# Altium PCB Cortes.PcbDoc (part 1 of 4)
Units mil, origin at the board's own origin, x right, y up, seen from the top; angles counter-clockwise.
Board outline 3686.1 x 4034 mil, 6 copper layers (Top Layer, GND, SL1, SL2, PWR, Bottom Layer), stack 33.672 mil thick; 267 components, 325 nets, 1122 pads, 1062 vias.
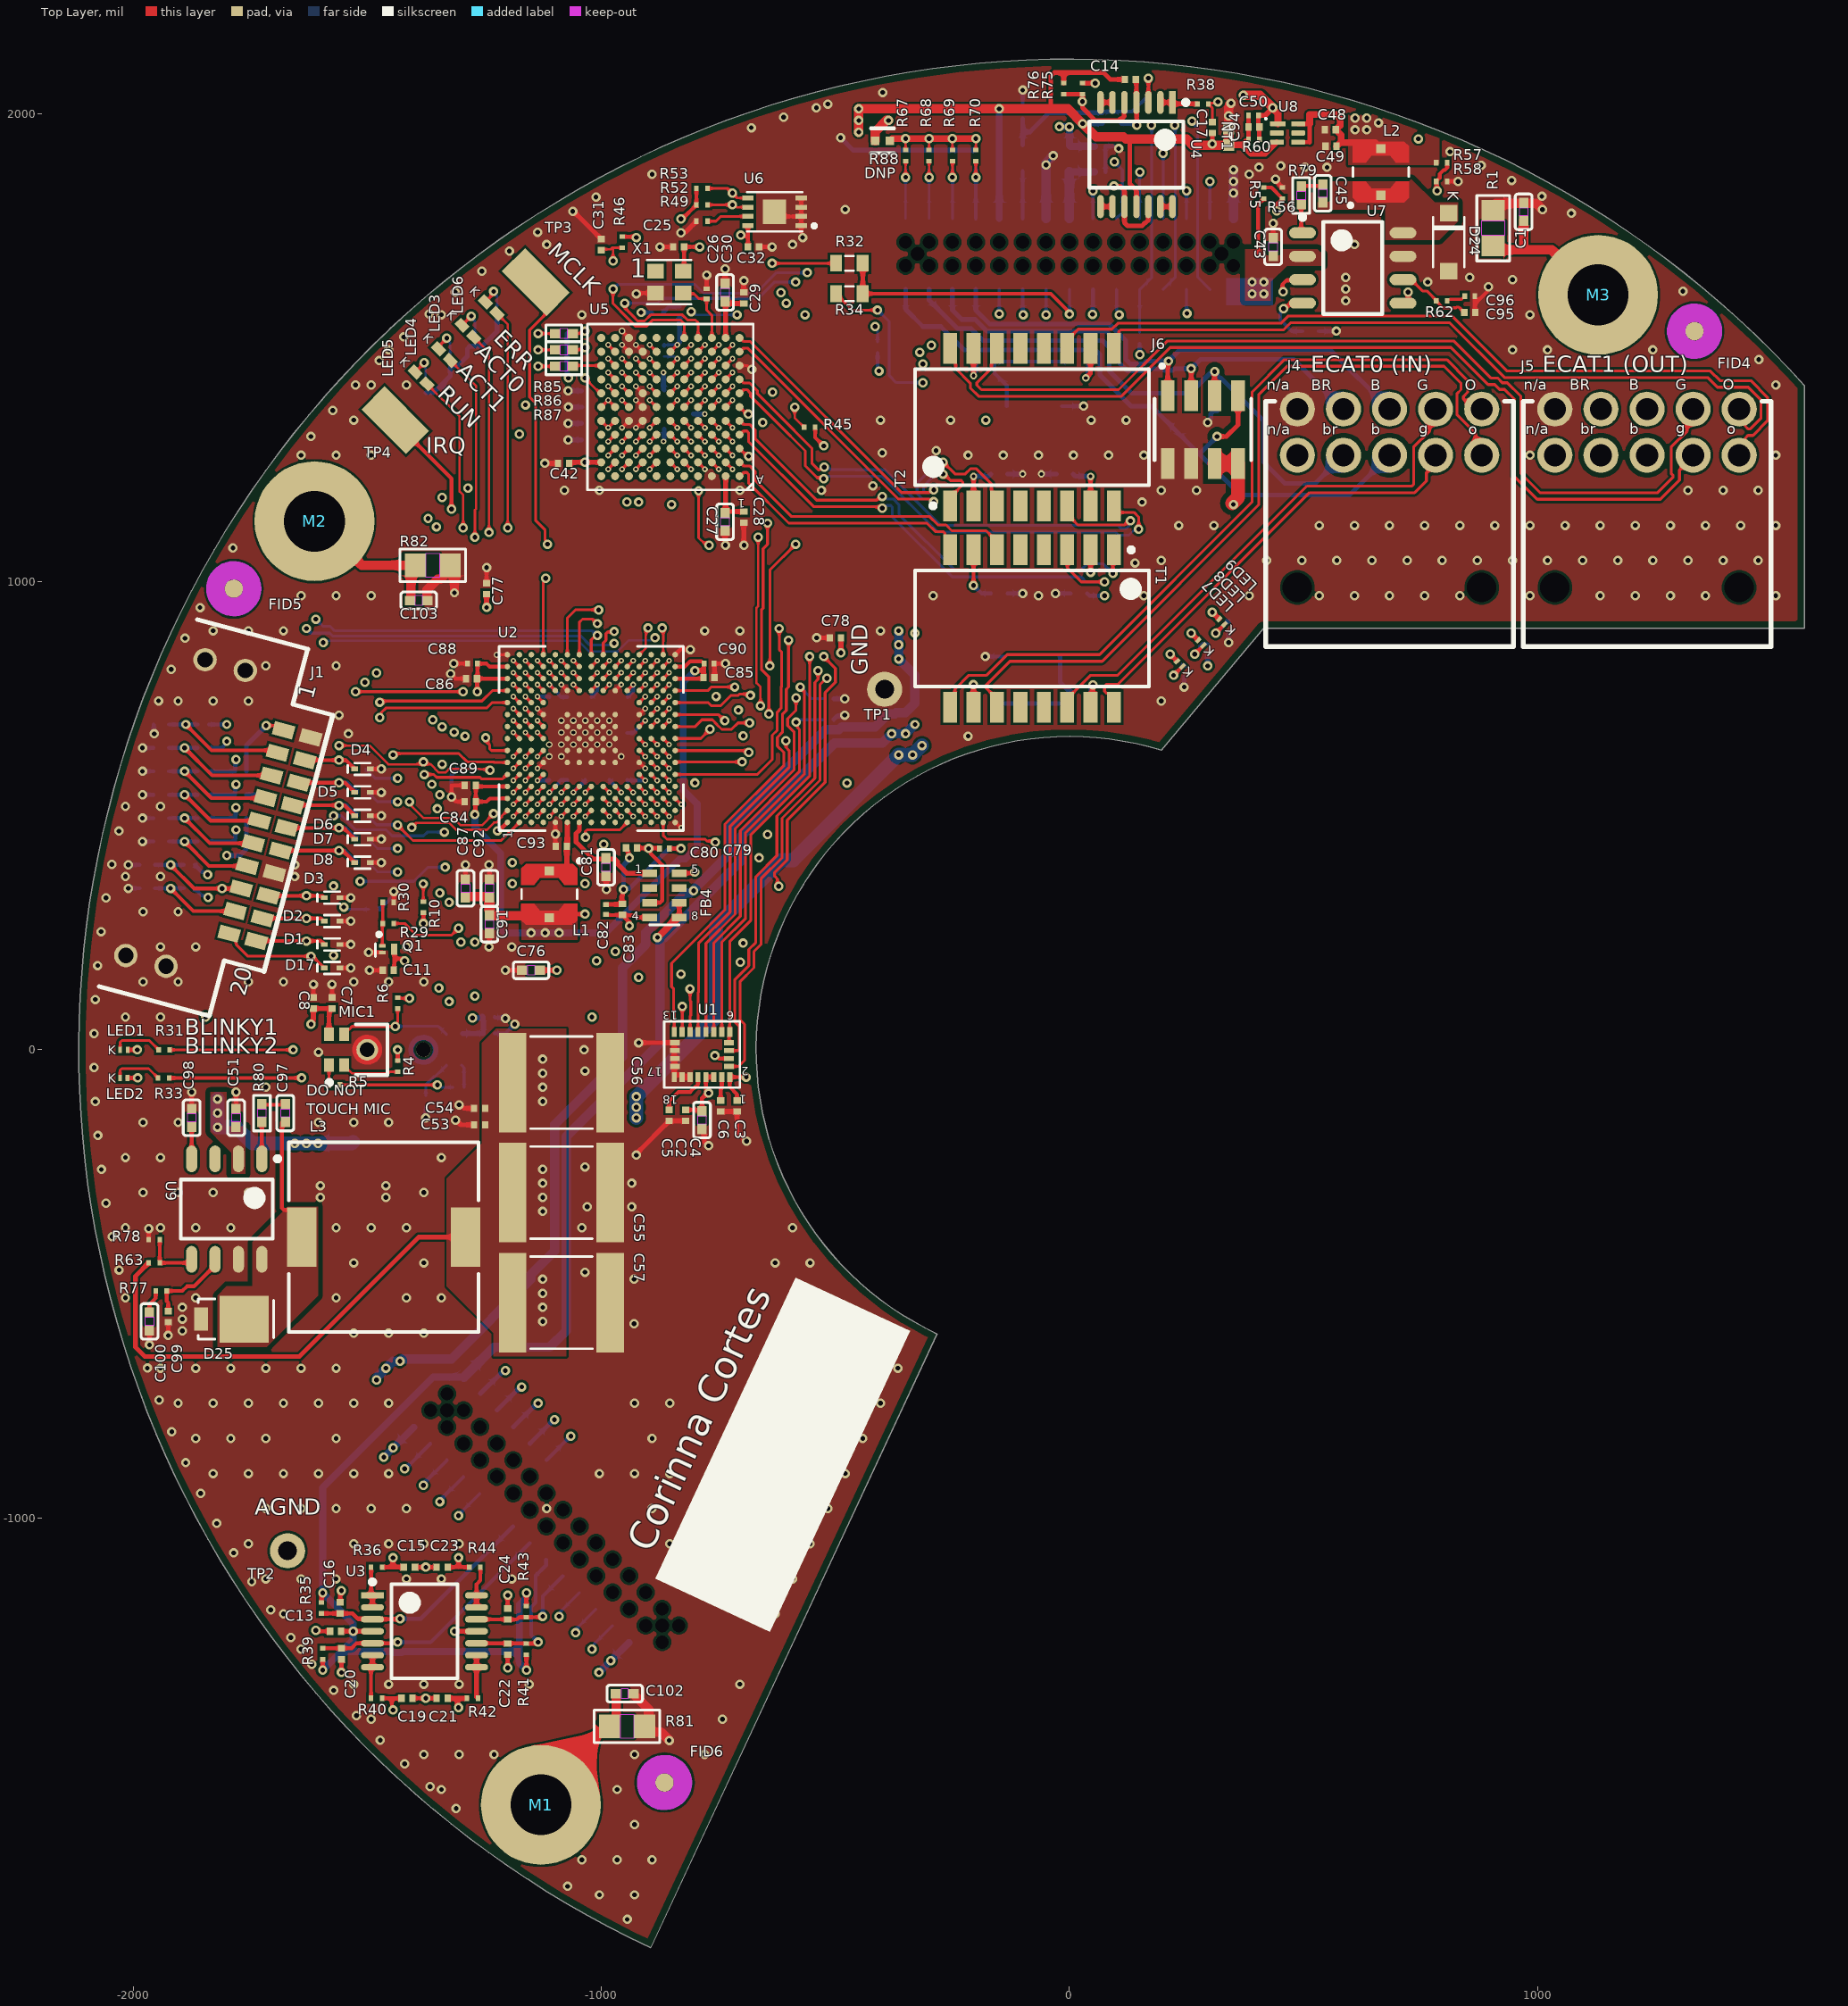
[diagram p0: Top Layer view]
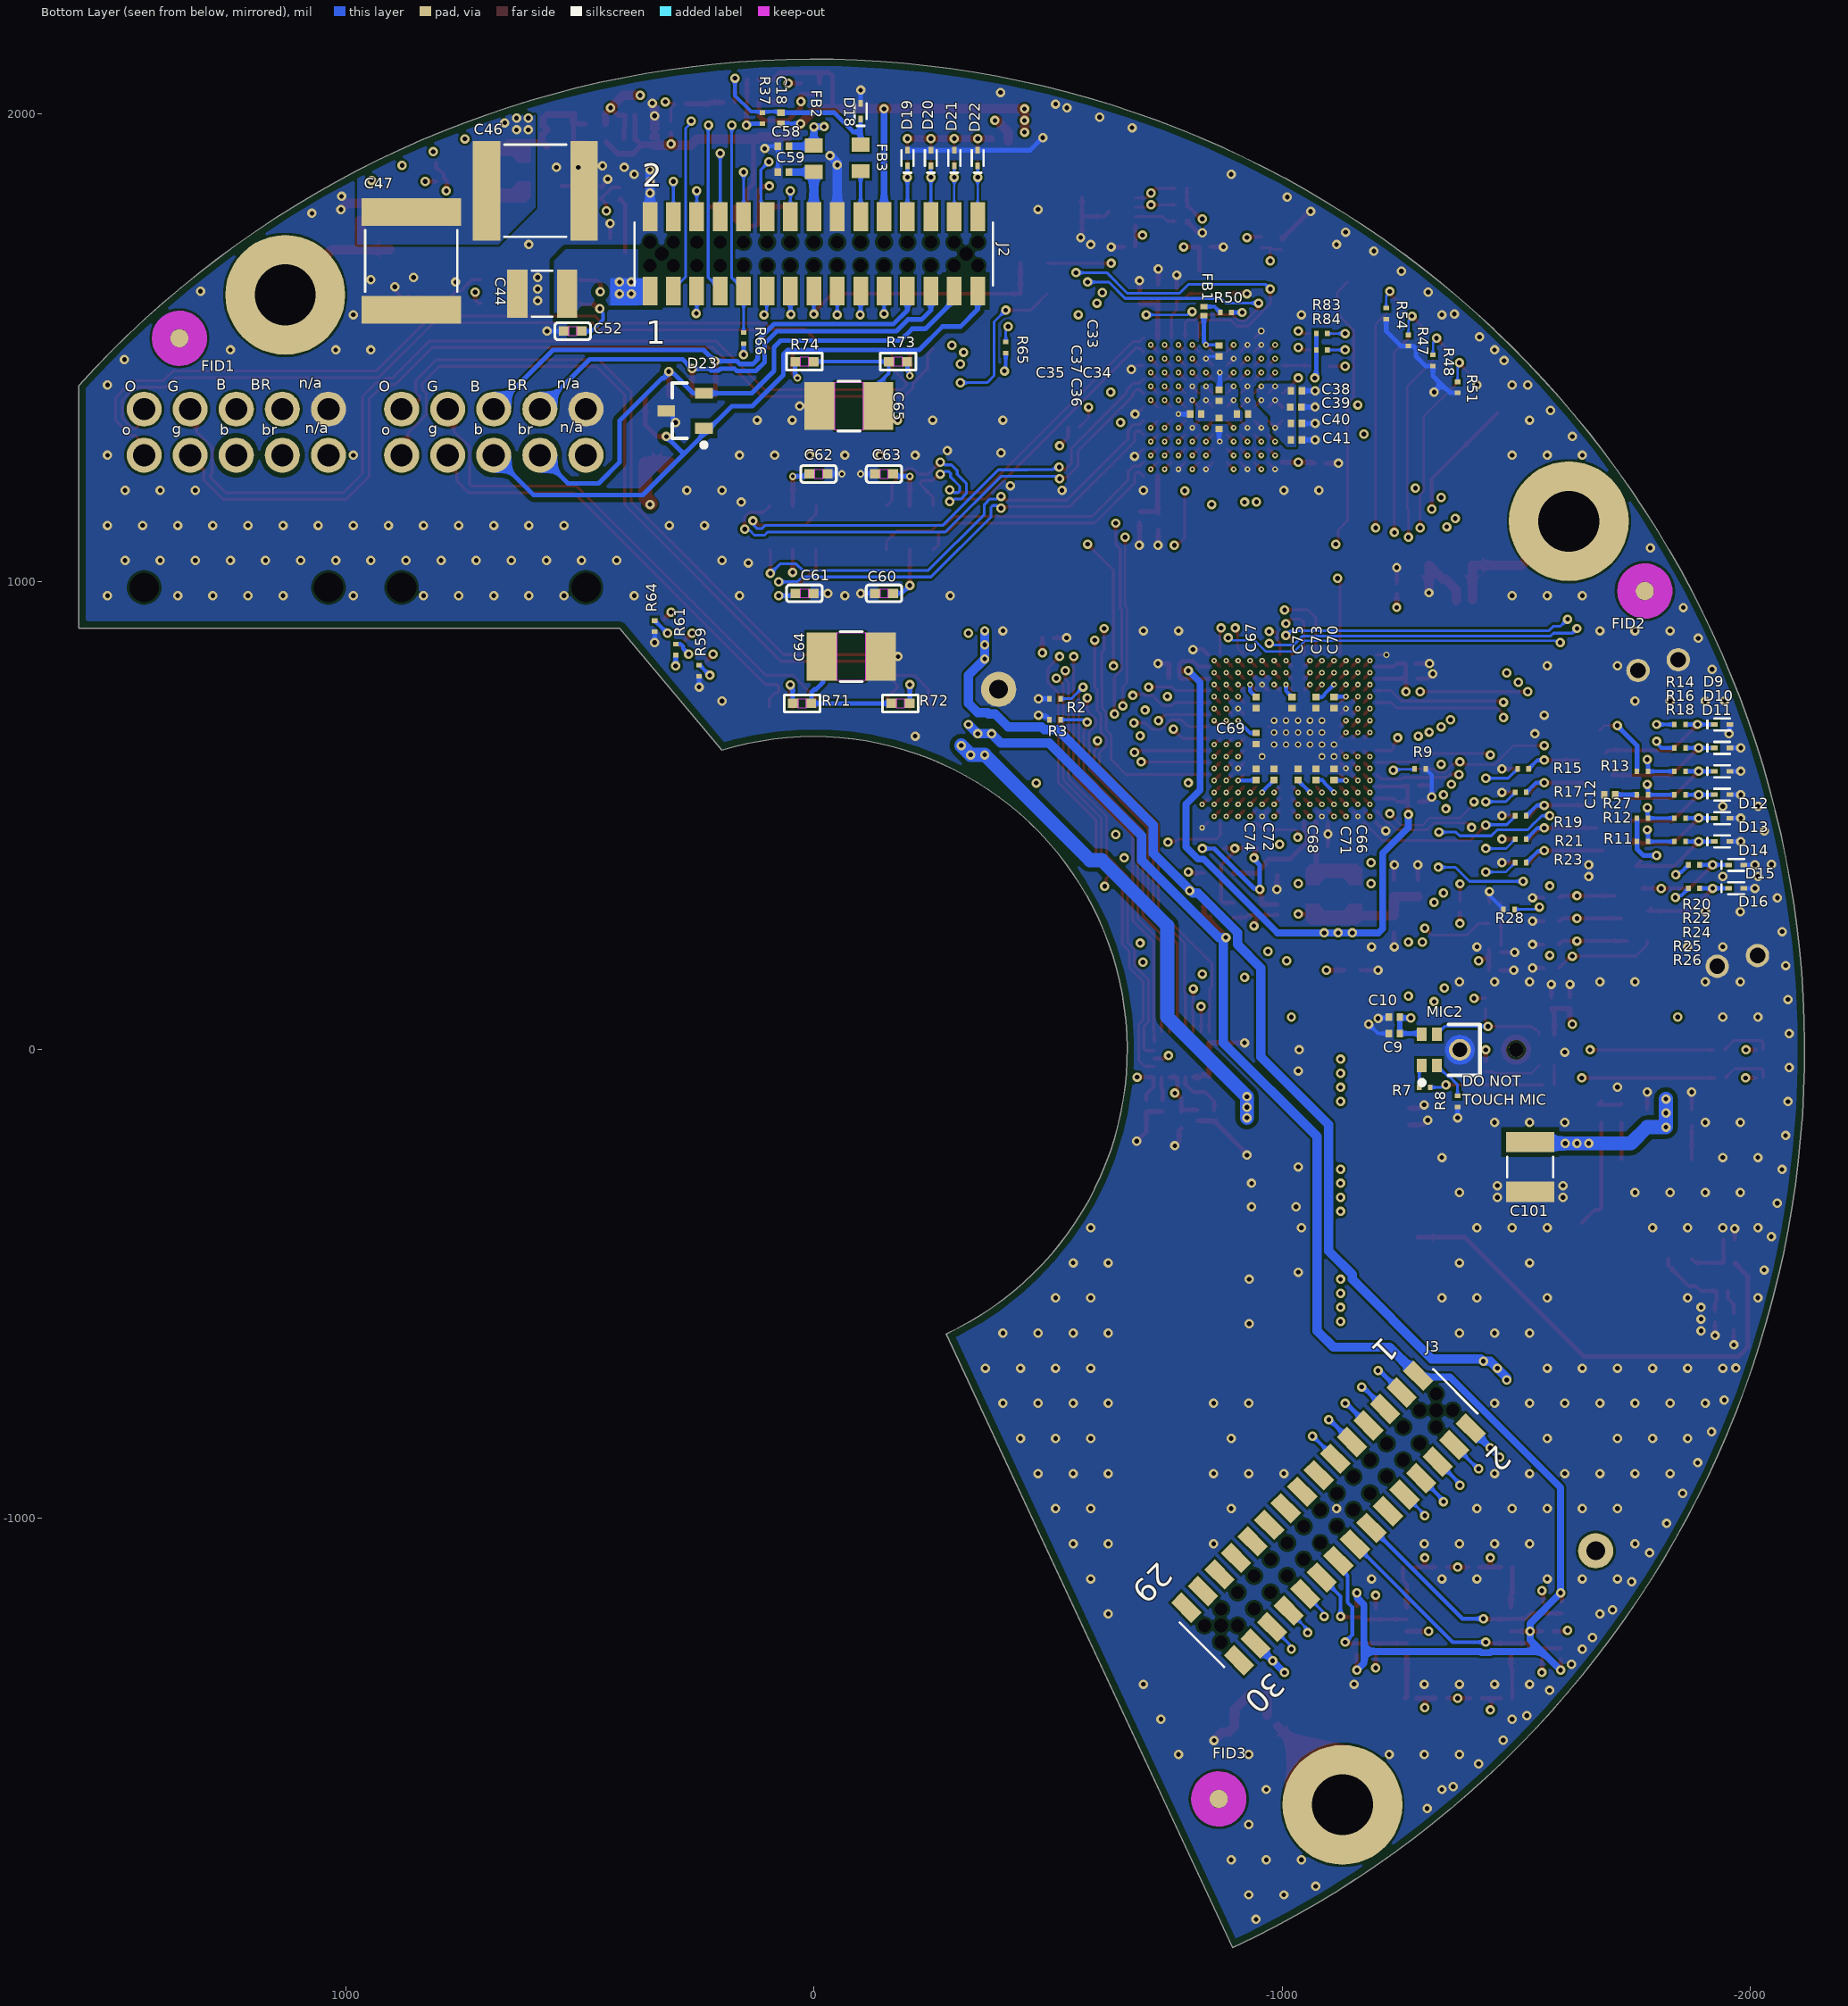
[diagram p1: Bottom Layer view, seen from below]
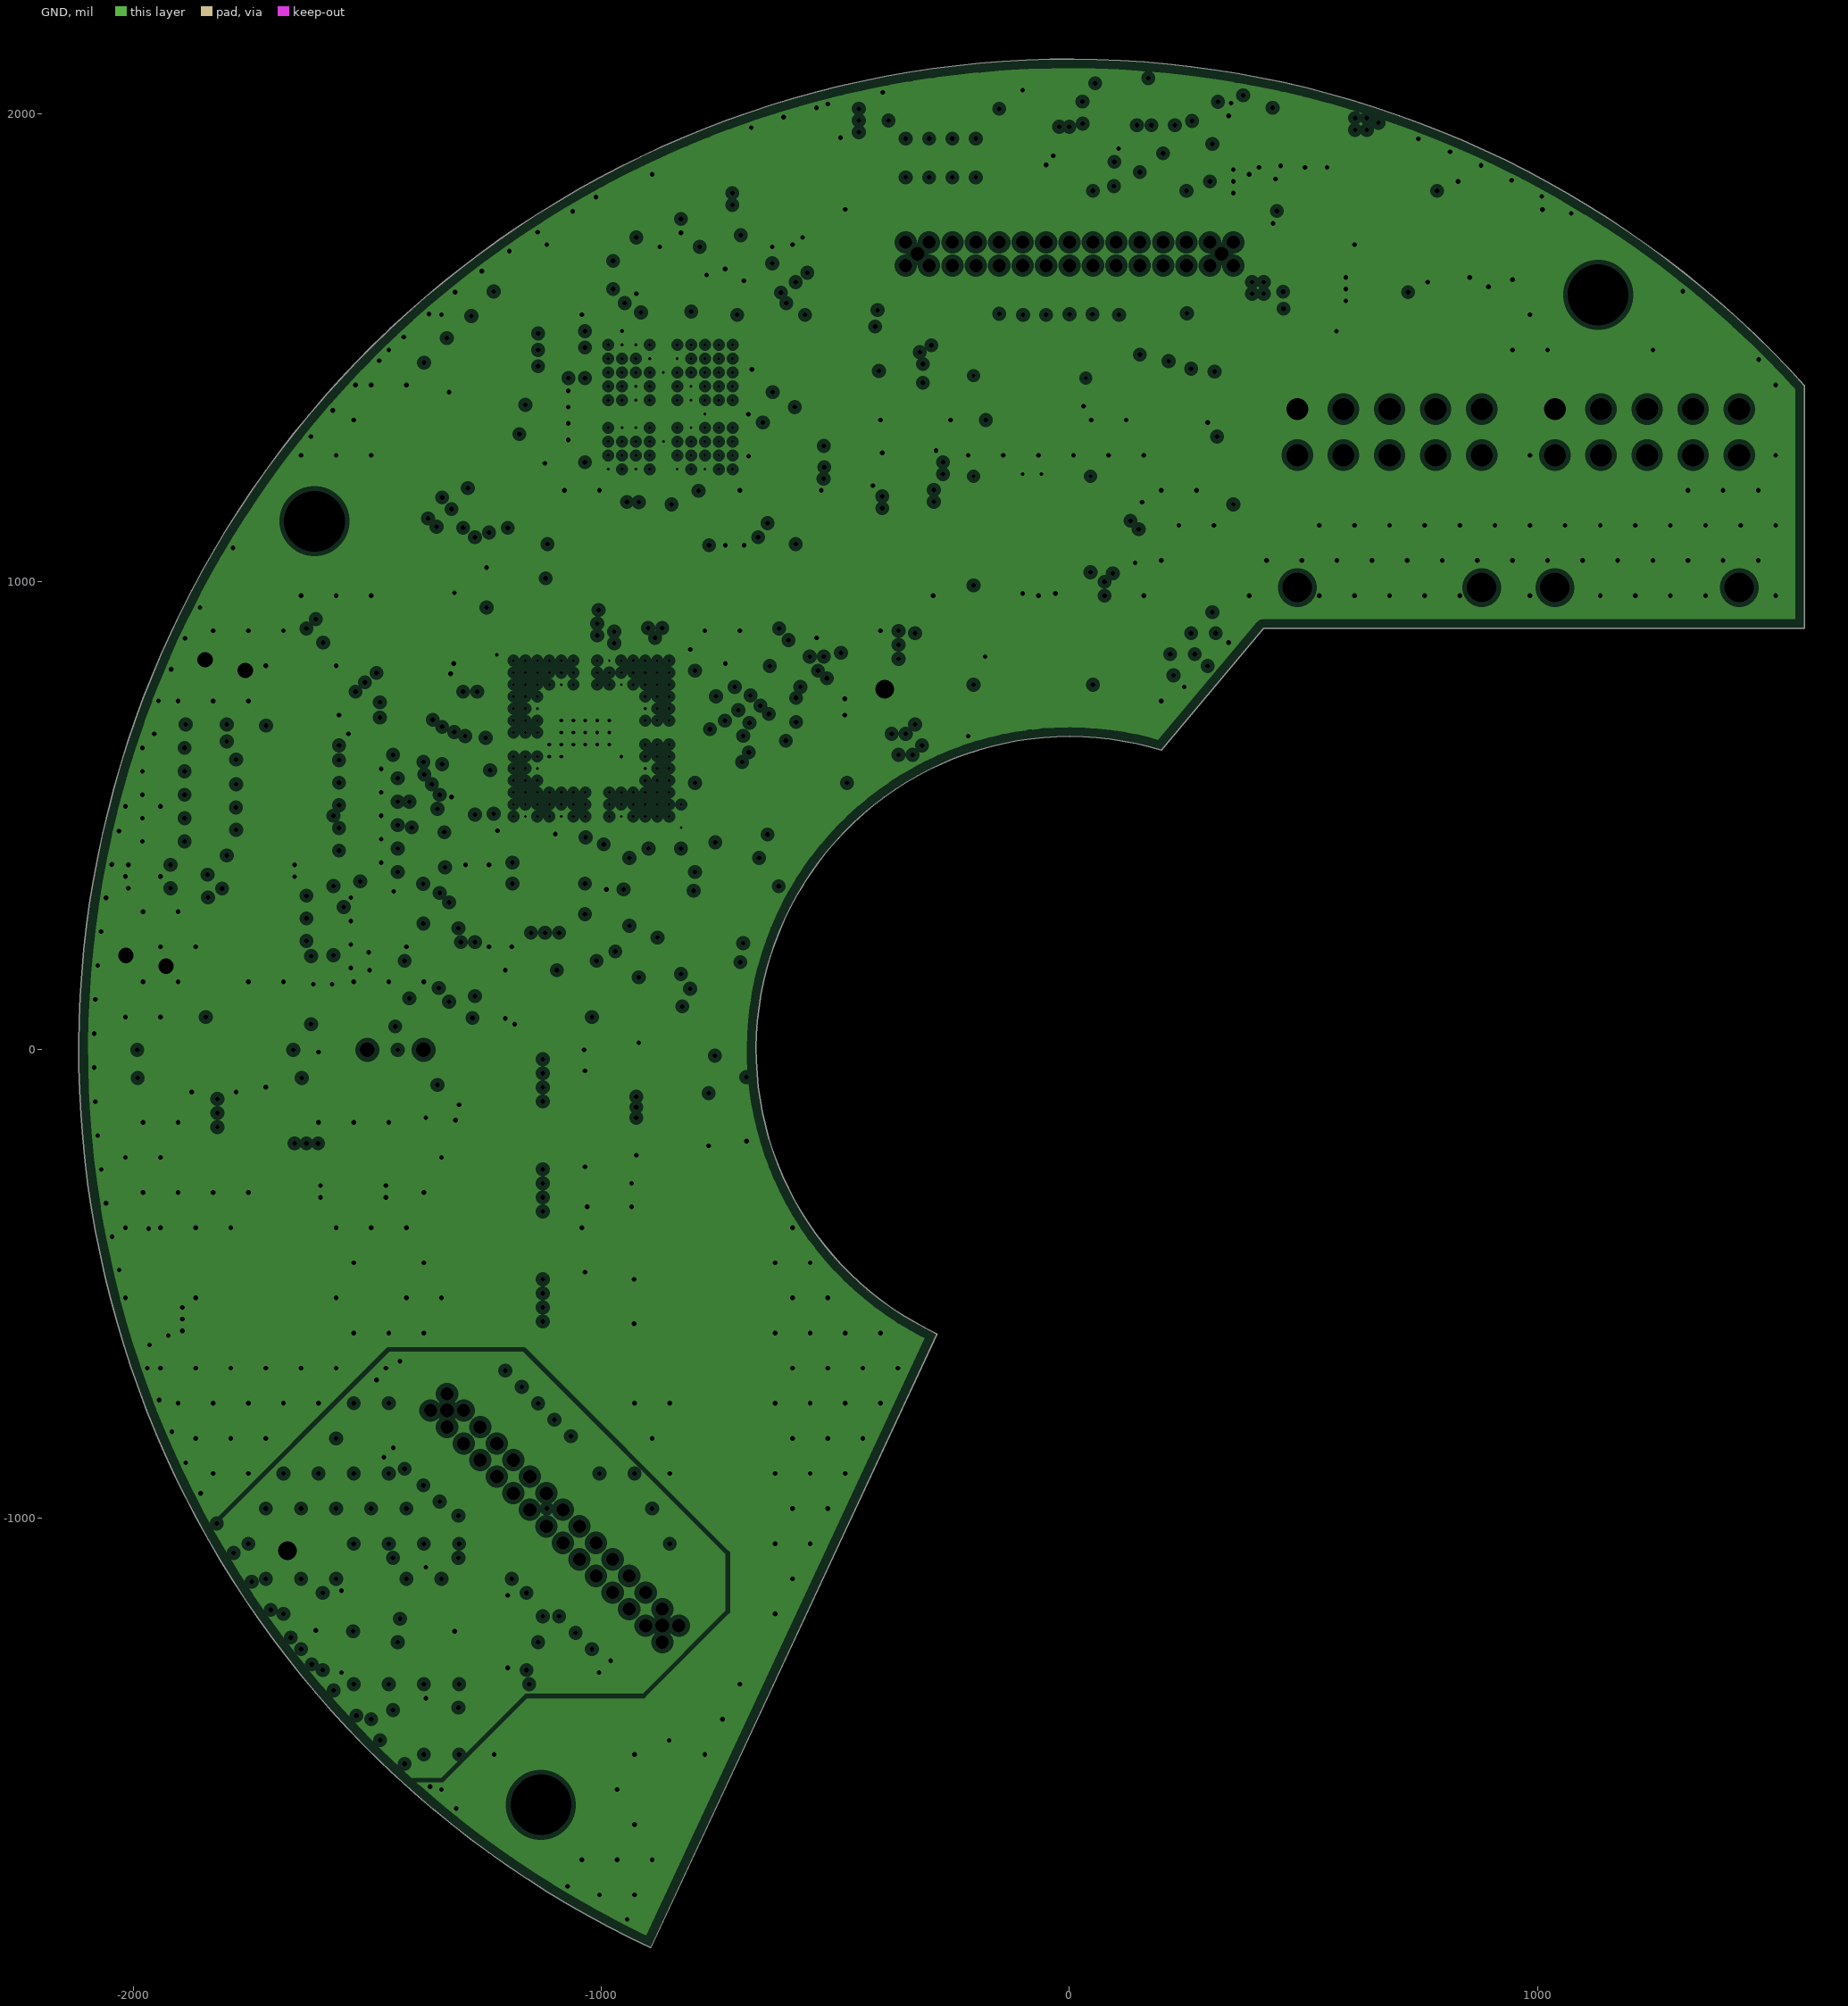
[diagram p2: GND, clearances drawn from the general rule]
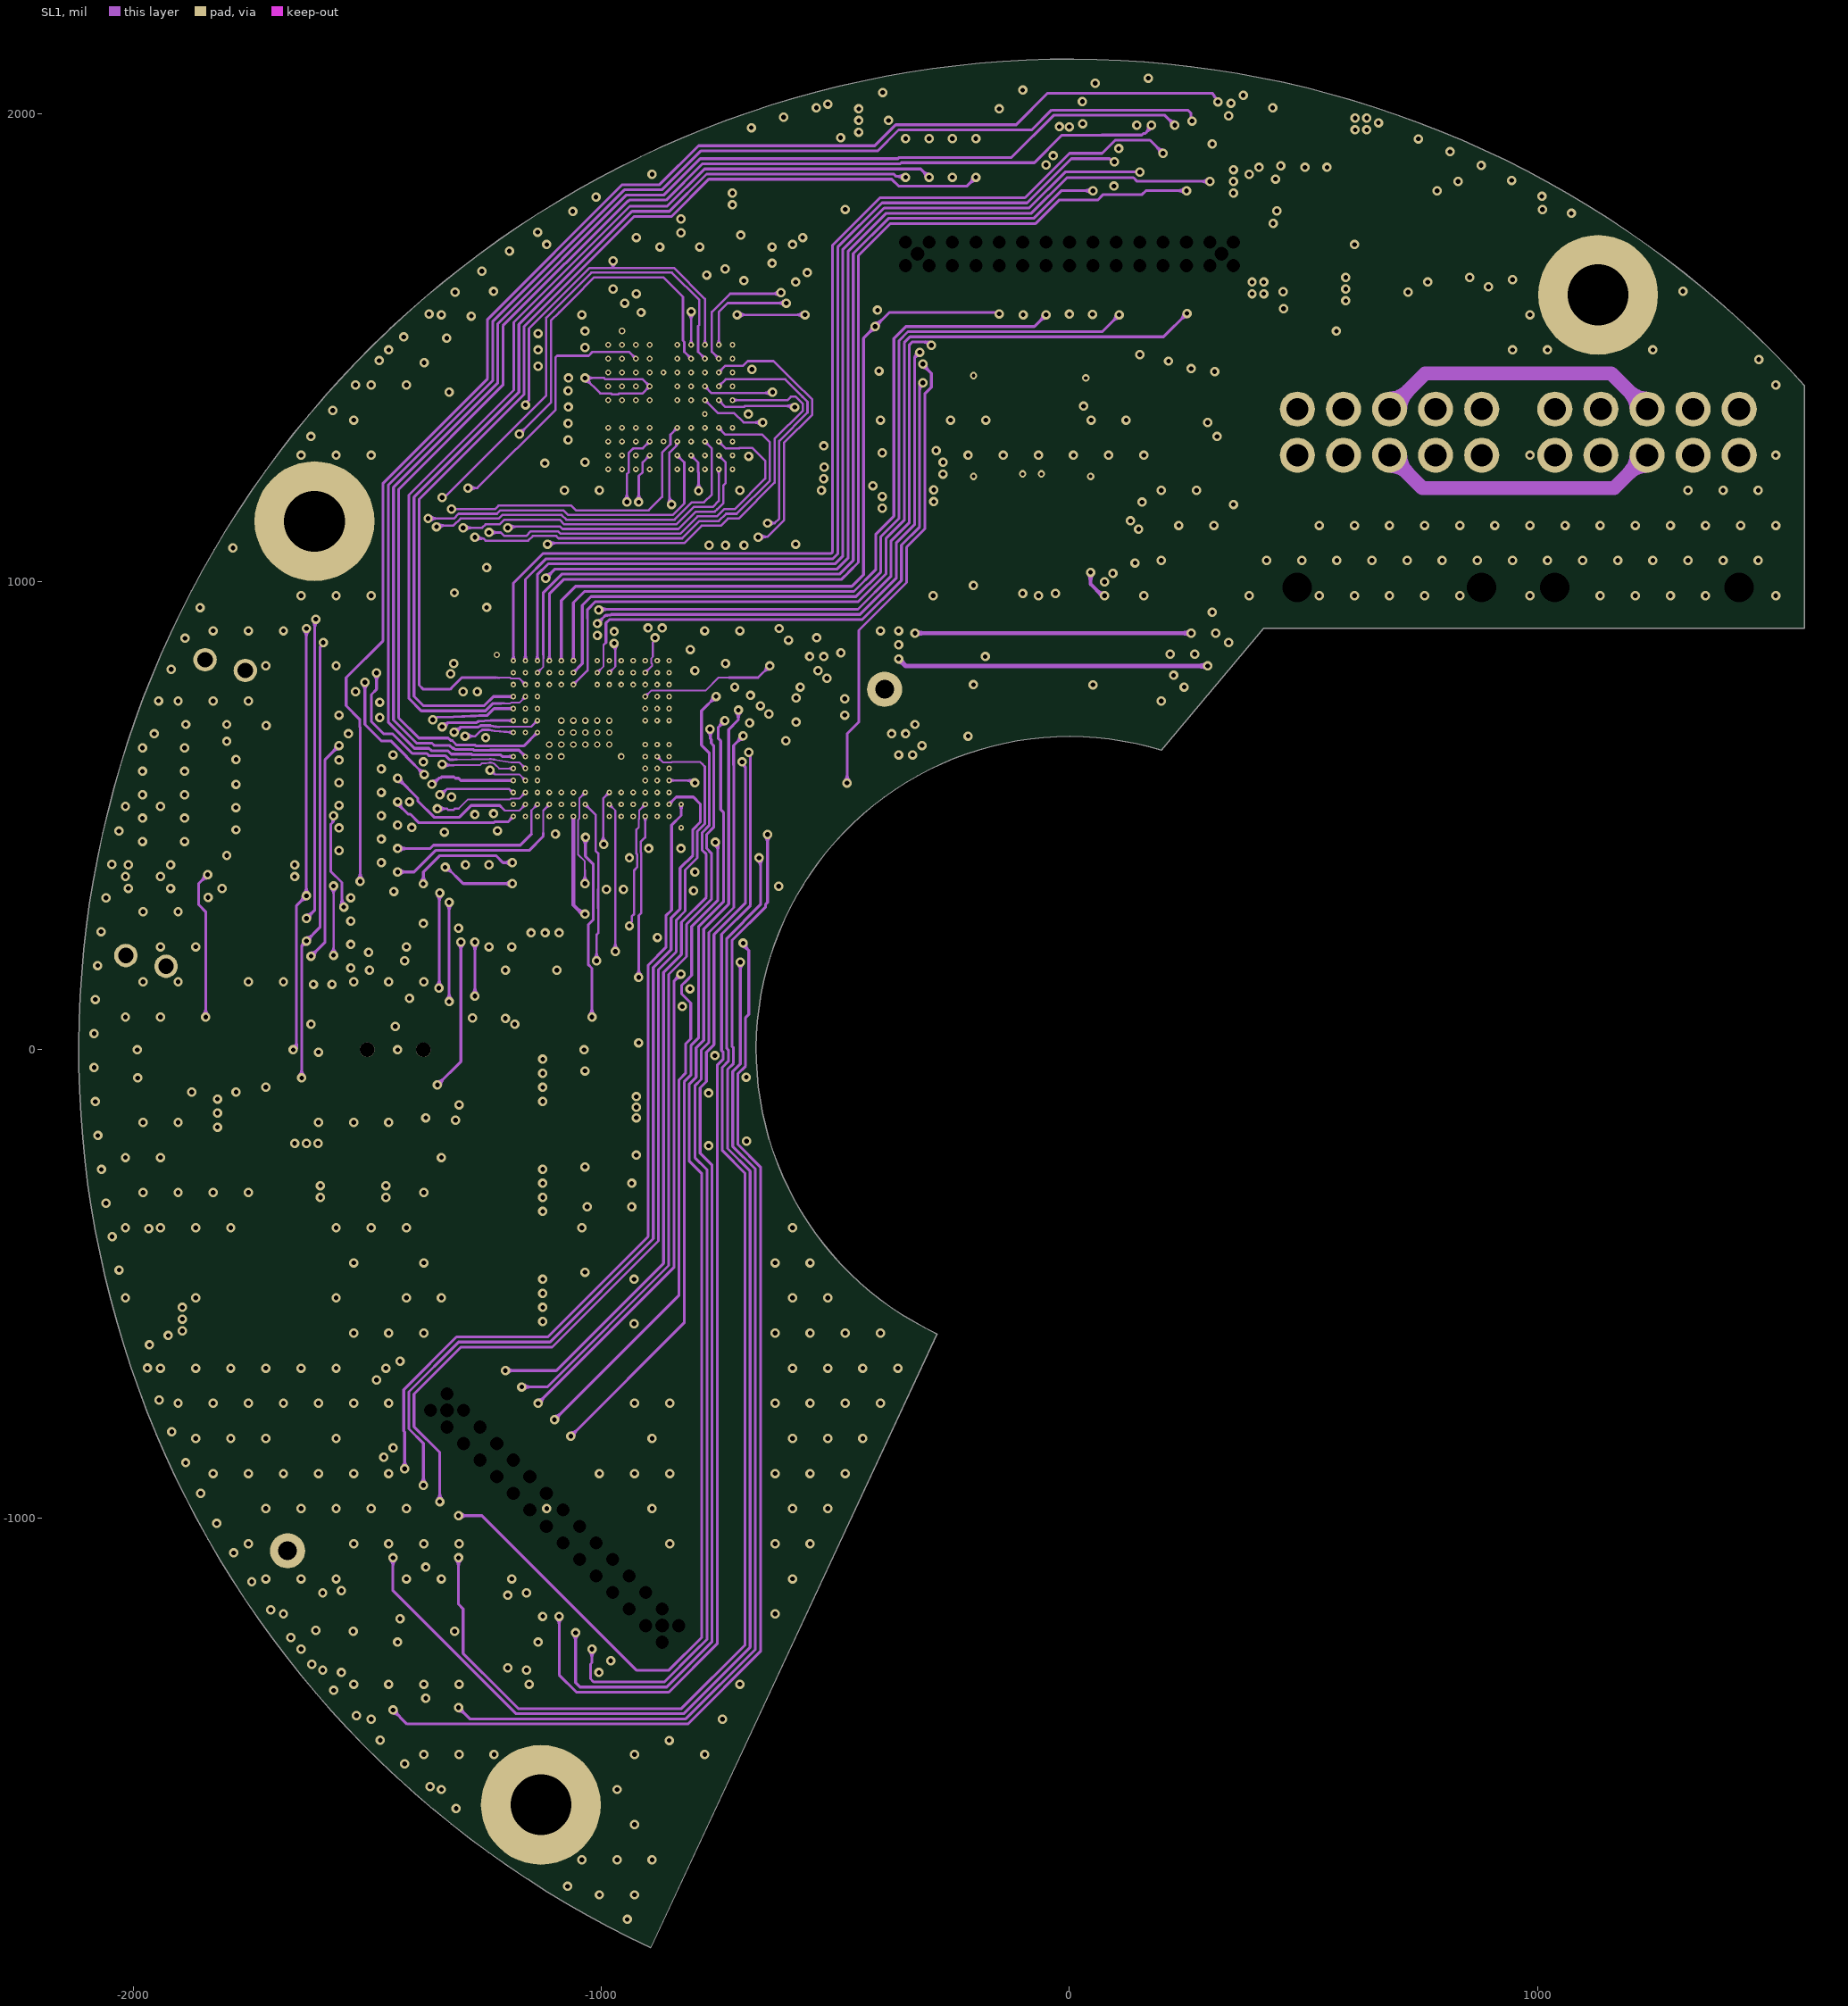
[diagram p3: SL1]